# Altium PCB PCB.PcbDoc
Units mm, origin at the board's own origin, x right, y up, seen from the top; angles counter-clockwise.
Board outline 83.64 x 112.27 mm, 2 copper layers (Top Layer, Bottom Layer); 22 components, 29 nets, 121 pads, 18 vias.
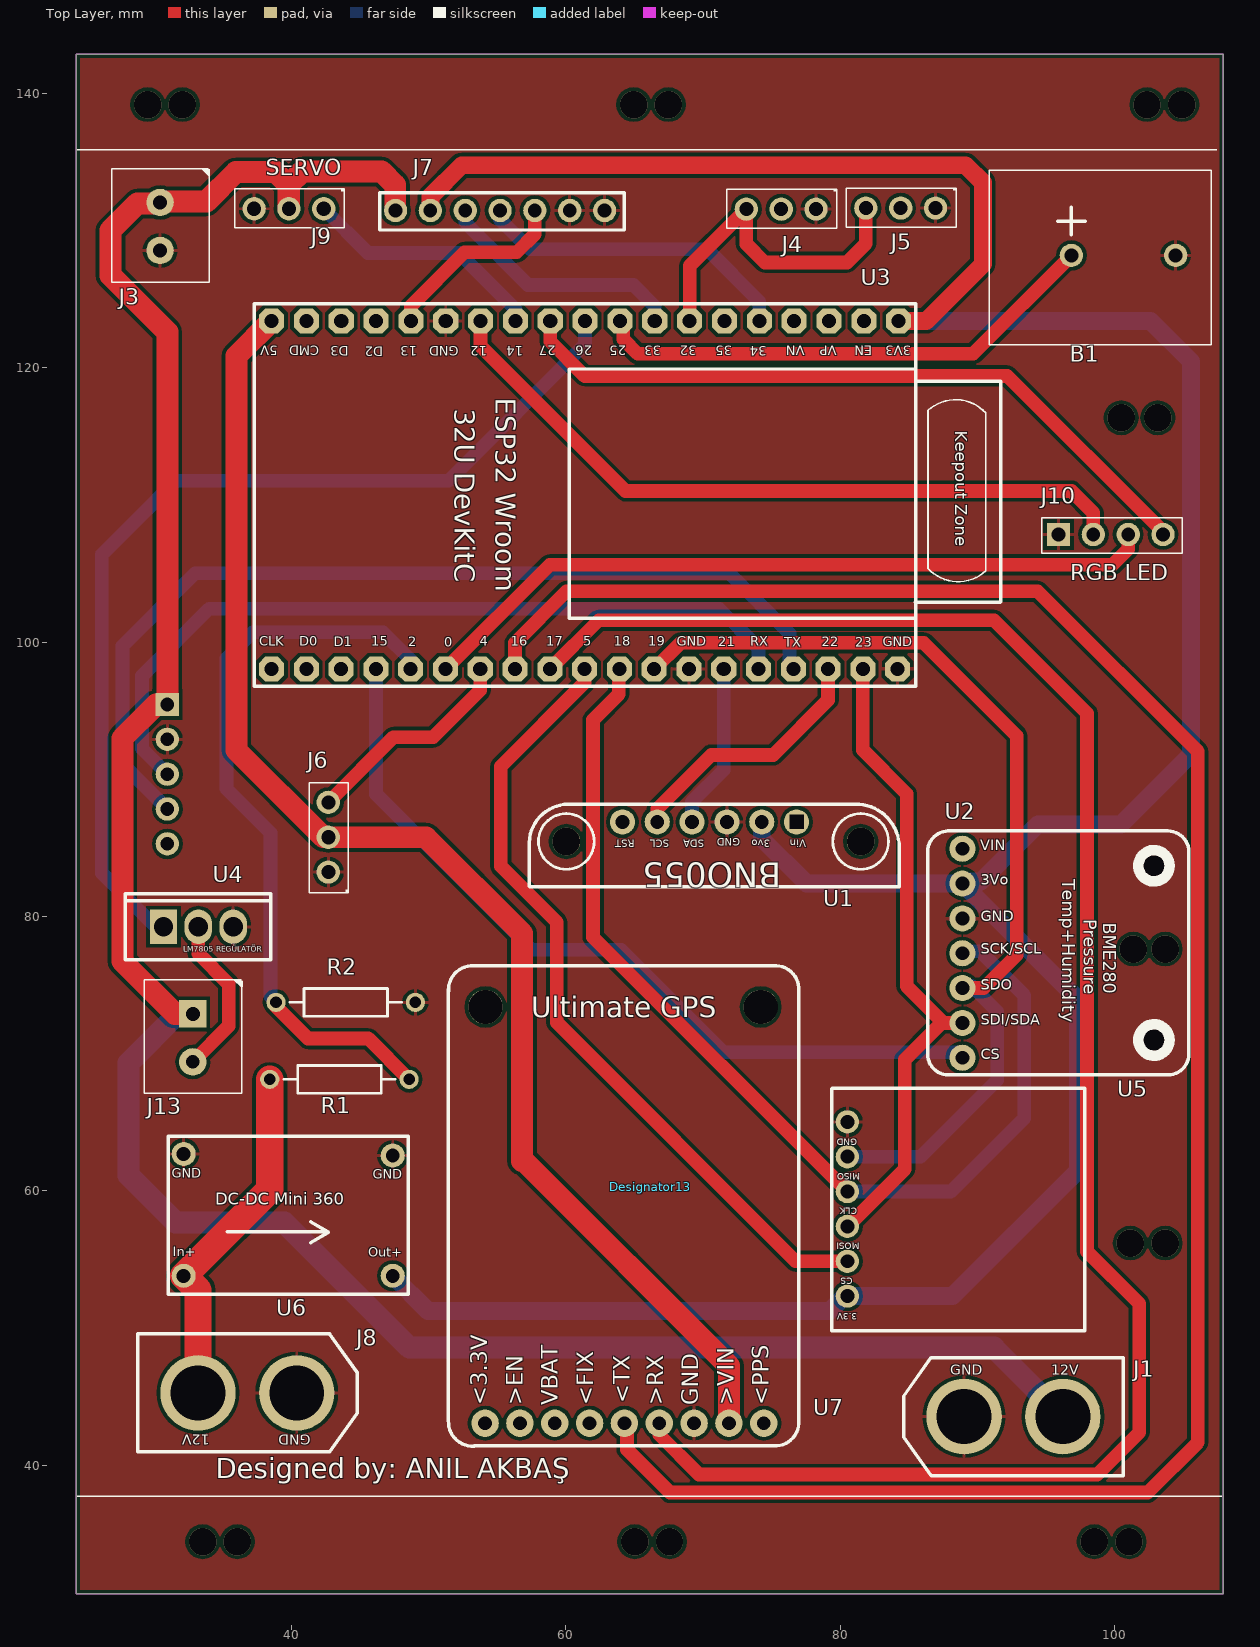
[diagram p0: Top Layer view]
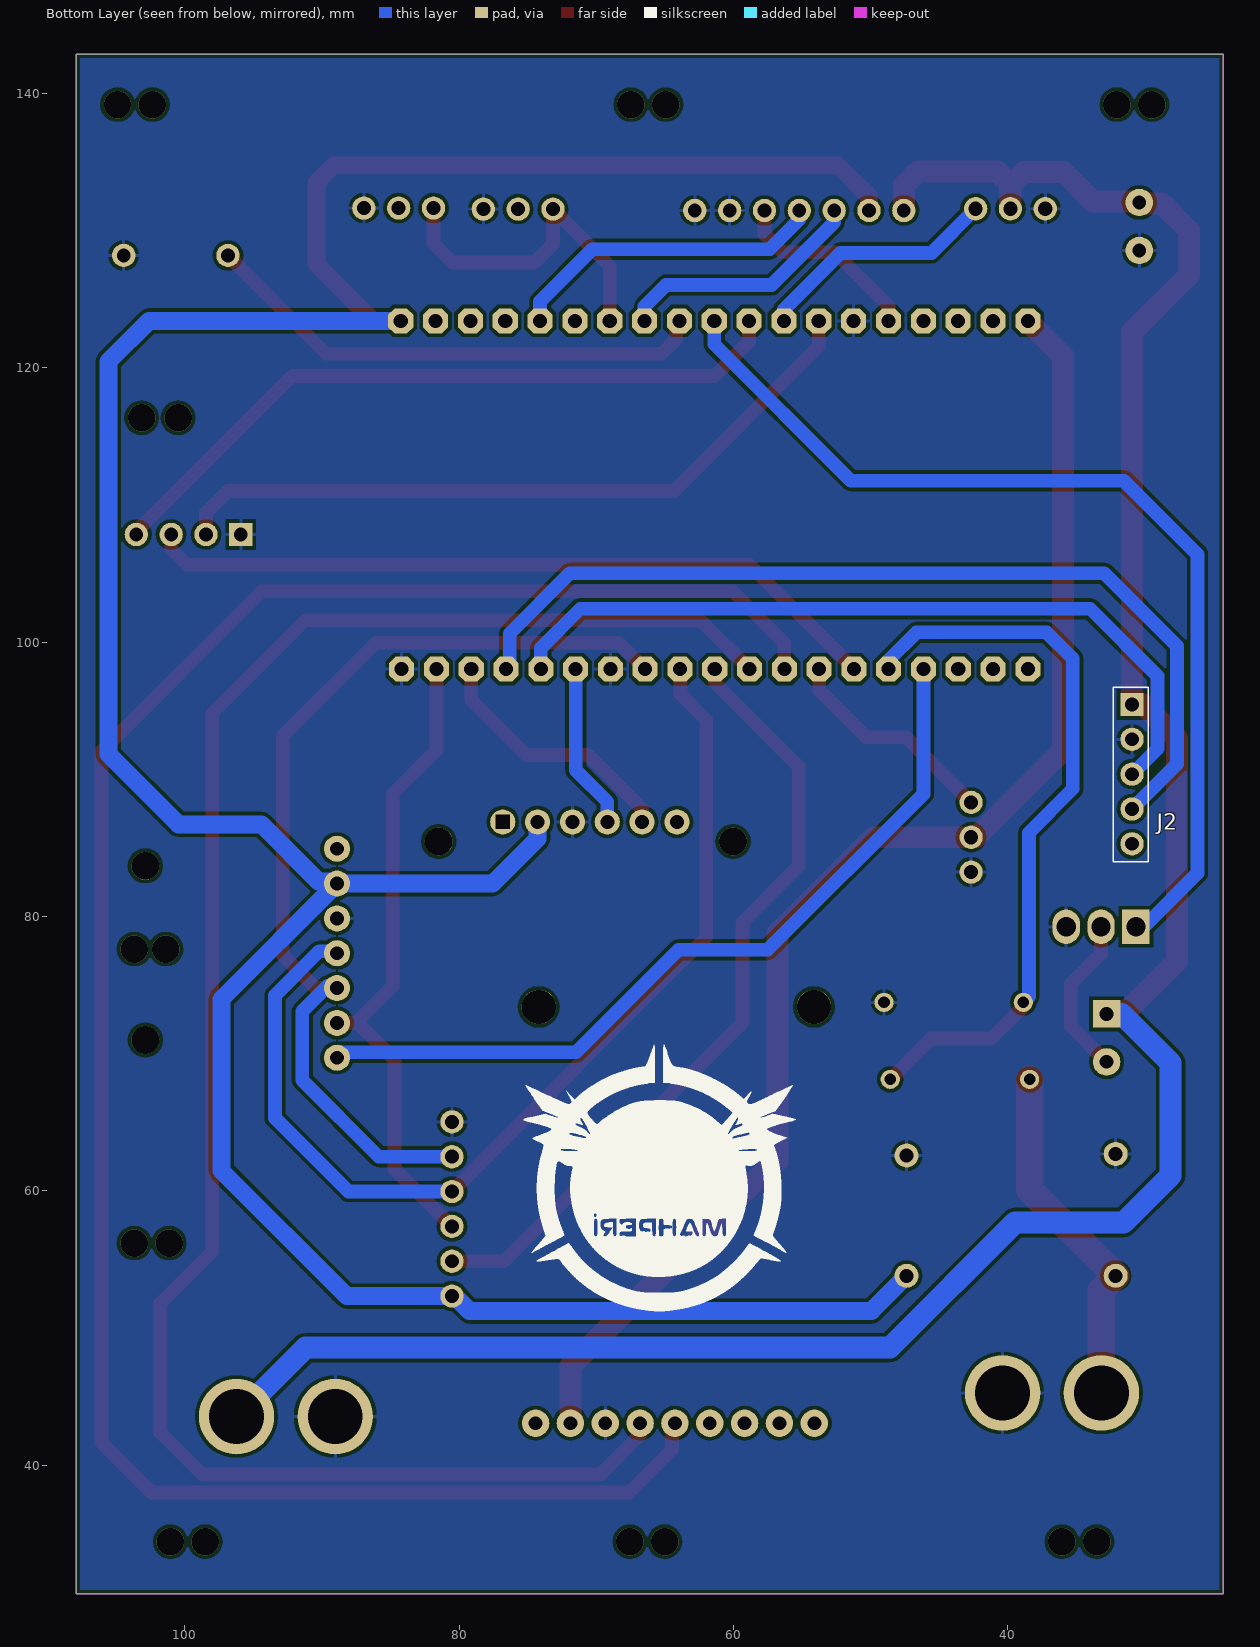
[diagram p1: Bottom Layer view, seen from below]

## Layer stack, top to bottom
Top Solder: solder mask 0.0102, Solder Resist, Dk 3.5
Top Layer: signal copper 0.0356
Dielectric 1: dielectric 0.32, FR-4, Dk 4.8
Bottom Layer: signal copper 0.0356
Bottom Solder: solder mask 0.0102, Solder Resist, Dk 3.5

## Board outline
24.282,30.607 107.925,30.607 107.925,142.875 24.282,142.875

## Design rules (kind name [scope] priority, off if disabled: settings)
Clearance [All] p1: gap=0.254 ignorepadtopadclearanceinfootprint=FALSE except(0: Arc-Hole Track-Hole SMDPad-Hole THPad-Hole Via-Hole Fill-Hole Poly-Hole Region-Hole Text-Hole; 0.1: Arc-Arc Arc-Track Arc-SMDPad Arc-THPad Arc-Via Track-Track Track-SMDPad Track-THPad Track-Via SMDPad-SMDPad SMDPad-THPad SMDPad-Via THPad-THPad THPad-Via Via-Via)
HoleSize [All] p1: absolutevalues=TRUE maxlimit=4.2 minlimit=0.025 maxpercent=80.000 minpercent=20.000
MinimumSolderMaskSliver [All] p1: minsoldermaskwidth=0.08
PolygonConnect [All] p1: connectstyle=Relief reliefconductorwidth=0.254 reliefentries=4 polygonreliefangle="90 Angle" airgapwidth=0.254
RoutingVias [All] p1: holewidth=0.711 width=1.27 viastyle="Through Hole" minholewidth=0.711 minwidth=1.27 maxholewidth=0.711 maxwidth=1.27
SilkToSilkClearance [All] p1: silktosilkclearance=0.1
SilkToSolderMaskClearance [IsPad] p1: minsilkscreentomaskgap=0.1 clearancetoexposedcopper=TRUE
SolderMaskExpansion [All] p1: expansion=0.102
Width [All] p1: maxlimit=2 minlimit=0.01 preferedwidth=1 minimp=50.000000 maximp=50.000000 favimp=50.000000
26 further rules are at their usual default settings.

## Components (designator, comment, footprint, x,y, rotation, side; value= is the part's Value field where it differs from the comment)
B1 "BUZZER" "BUZZER 4 TO 8 V" 96.85,128.194 r0 top
Designator13 "Comment" "logo 20x20" 66.142,60.3 r0 top
J1 "XT60" XT60#1 89.027,43.536 r0 top
J2 "Header 2.54 1x5" "Header 2.54 1x5" 30.937,95.453 r270 bottom
J3 "Klemens 1x2 3.5mm" "Klemens 1x2 - 3.5mm"#1 30.455,130.454 r270 top
J4 "HEADER1X3" HEADER1X3 75.844,131.648 r180 top
J5 "HEADER1X3" HEADER1X3 84.557,131.724 r180 top
J6 "HEADER 1X3" HEADER1X3 42.748,85.623 r90 top
J7 "MALE HEADER 1X7" "MALE HEADER  1X7" 47.574,131.47 r0 top
J8 "XT60" XT60#2 40.372,45.263 r180 top
J9 "HEADER1X3" HEADER1X3 39.954,131.674 r180 top
J10 "Header 2.54 1x4" "Header 2.54 1x4" 96.41,108.573 r0 top
J13 "KLEMENS" "Klemens 1x2 - 3.5mm"#2 32.842,71.298 r270 top
R1 "RESİSTOR" "RESİSTOR SMD" 43.688,68.174 r180 top
R2 "RESİSTOR" "RESİSTOR SMD" 44.145,73.787 r180 top
U1 "BNO" ? 70.485,84.949 r180 top
U2 "BME280 SENSÖR KARTI" "BME280 SENSÖR KARTI" 98.146,55.702 r270 top
U3 "ESP32 WROOM 32U DEVKITC" "ESP32 WROOM 32D" 78.286,102.845 r0 top
U4 "IRFZ44" IRFZ44 30.658,79.248 r0 top
U5 "SD KART MODÜLÜ" "SD CARD MODULE" 95.402,50.927 r180 top
U6 "DC-DC 360 Mini REGÜLATÖR" "DC-DC MINI 360 REGÜLATÖR KARTI" 40.843,59.487 r0 top
U7 "ADAFRUİT ULTİMATE GPS" "ADAFRUİT ULTİMATE GPS" 62.992,57.988 r90 top

## Footprints (in the part's own frame and the unit in brackets; to place one, negate y for a bottom-side part, rotate by r counter-clockwise, add the part's x,y. Pads: shape width x height; smd on the part's side, far side on the other; paste and mask are expansions set on the pad)
"ADAFRUİT ULTİMATE GPS" [mil]
  round 78.74 hole 40: 1(-588,350) 2(-588,250) 3(-588,150) 4(-588,50) 5(-588,-50) 6(-588,-150) 7(-588,-250) 8(-588,-350) 9(-588,-450)
  round 98.43 hole 98.43: ""(607,-441) ""(607,349)
  silkscreen extent -653,-551 726,455, body extent -671,-551 679,449, height 144
"BME280 SENSÖR KARTI" [mil]
  round 74.8 hole 40: 1(-1151,-364) 2(-1051,-364) 3(-951,-364) 4(-851,-364) 5(-751,-364) 6(-651,-364) 7(-551,-364)
  round 80 hole 80 unplated: ""(-1102,186) ""(-602,186)
  silkscreen extent -1202,-464 -502,286, body extent -1202,-465 -501,285, height 98
"BUZZER 4 TO 8 V" [mm]
  round 1.7 hole 1.016: 1(0,0) 2(7.6,0)
  silkscreen extent -6,-6.5 10.2,6.2, body extent -5.65,-6 9.8,6, height 9.65
"DC-DC MINI 360 REGÜLATÖR KARTI" [mm]
  round 1.75 hole 1.016: 1(-8.712,-5.685) 2(-8.712,3.205) 3(6.528,-5.685) 4(6.528,3.078)
  silkscreen extent -9.86,-7.03 7.64,4.48, body extent -10.34,-7.32 8.2,4.98, height 4.3
"ESP32 WROOM 32D" [mil]
  oct 72.01x72.01 hole 40.39: 1(-1565,-189.58) 2(-1465.16,-189.58) 3(-1365.31,-189.58) 4(-1265.47,-189.58) 5(-1165.63,-189.58) 6(-1065.79,-189.58) 7(-965.94,-189.58) 8(-866.1,-189.58) 9(-766.26,-189.58) 10(-666.42,-189.58) 11(-566.57,-189.58) 12(-466.73,-189.58) 13(-366.89,-189.58) 14(-267.05,-189.58) 15(-167.2,-189.58) 16(-67.36,-189.58) 17(32.48,-189.58) 18(132.32,-189.58) 19(232.17,-189.58) 20(235,810) 21(135,810) 22(35,810) 23(-65,810) 24(-165,810) 25(-265,810) 26(-365,810) 27(-465,810) 28(-565,810) 29(-665,810) 30(-765,810) 31(-865,810) 32(-965,810) 33(-1065,810) 34(-1165,810) 35(-1265,810) 36(-1365,810) 37(-1465,810) 38(-1565,810)
  silkscreen extent -1614,-239 528,860, body extent -1781,-226 403,876, height 182
HEADER1X3 [mm]
  round 1.7 hole 1.026: 1(-2.388,0.076) 2(0.152,0.076) 3(2.692,0.076)
  silkscreen extent -3.89,-1.37 4.11,1.48, body extent -3.66,-1.14 3.96,1.4, height 3.5
"Header 2.54 1x4" [mm]
  rect 1.7x1.7 hole 1 mask+0.05: 1(-0.5,-0.725)
  round 1.7 hole 1 mask+0.05: 2(2.04,-0.725) 3(4.58,-0.725) 4(7.12,-0.725)
  silkscreen extent -1.73,-2.1 8.52,0.5, body extent -1.68,-2.05 8.48,0.45, height 9.1
"Header 2.54 1x5" [mm]
  rect 1.7x1.7 hole 1 mask+0.05: 1(0,0)
  round 1.7 hole 1 mask+0.05: 2(2.54,0) 3(5.08,0) 4(7.62,0) 5(10.16,0)
  silkscreen extent -1.27,-1.38 11.48,1.2, body extent -1.25,-1.3 11.45,1.2, height 9.1
IRFZ44 [mm]
  rect 2x2.5 hole 1.4: 1(0,0)
  oval 2x2.5 hole 1.4: 2(2.54,0) 3(5.08,0)
  silkscreen extent -2.79,-2.39 7.81,2.41, body extent -2.84,-2.49 7.83,2.34, height 22.26
"Klemens 1x2 - 3.5mm"#1 [mm]
  round 2 hole 1: 1(-1.6,-0.05) 2(1.9,-0.05)
  silkscreen extent -4.11,-3.58 4.2,3.58, body extent -3.87,-3.63 4.12,3.37, height 8.9
"Klemens 1x2 - 3.5mm"#2 [mm]
  rect 2x2 hole 1.016: 1(-1.6,-0.05)
  round 2 hole 1: 2(1.9,-0.05)
  silkscreen extent -4.11,-3.57 4.2,3.58, body extent -3.87,-3.63 4.12,3.37, height 8.9
"logo 20x20" [mm]
"MALE HEADER  1X7" [mm]
  round 1.7 hole 1: 1(0,0) 2(2.54,0) 3(5.08,0) 4(7.62,0) 5(10.16,0) 6(12.7,0) 7(15.24,0)
  silkscreen extent -1.14,-1.42 16.69,1.3, body extent -1.6,-1.27 16.68,1.27, height 8.5
"RESİSTOR SMD" [mm]
  round 1.4 hole 0.85: 1(-4.877,0.051) 2(5.283,0.051)
  silkscreen extent -3.86,-0.97 4.27,1.07, body extent -5.2,-1.21 5.6,1.19, height 2.6
"SD CARD MODULE" [mil]
  round 66.93 hole 40: 1(586,-55) 2(586,-155) 3(586,-255) 4(586,-355) 5(586,-455) 6(586,-555)
  silkscreen extent -95,-651 631,45, body extent -175,-665 637,47, height 133
XT60#1 [mil]
  round 216.5 hole 157.48: 1(0,0) 2(283.46,0)
  silkscreen extent -173,-169 457,169, body extent -175,-153 453,167, height 664
XT60#2 [mil]
  round 216.5 hole 157.48: 1(283.46,0) 2(0,0)
  silkscreen extent -173,-169 457,169, body extent -175,-153 453,167, height 664
? [mil]
  round 72 hole 40 square: 1(-249.2,-76.5)
  round 72 hole 40: 2(-149.2,-76.5) 3(-49.2,-76.5) 4(50.8,-76.5) 5(150.8,-76.5) 6(250.8,-76.5)
  round 80 hole 80 unplated: ""(-433.15,-20.4) ""(411.83,-20.4)
  silkscreen extent -544,-128 518,109

## Part data
B1: library part "BUZZER 5V"
J13: library part "Klemens 1x2 3.5mm", "Klemens 1x2 3.5mm"
R1 R2: library part "RESİSTOR SMD"
U3: library part "ESP32 WROOM 32D DEVLITC"
U5: library part "SD CARD MODULE"
U6: library part "DC-DC 360 Mini REGÜLATÖR KARTI"
U7: "3.0-5.5 VDC  20mA current"

## Via types
v1: diameter 2, hole 2, Top Layer to Bottom Layer, 18 vias

## Nets (pads, with @x,y where several pads share a name; then routed paths per layer and width w, separated by ;. In a path a pad name is that pad's centre, name@x,y a point inside that pad or via, vN(x,y) a via of type N, cw(c..) or ccw(c..) an arc to the next point about the centre after c; other vN are vias at no path point)
3.3V: J7.2 U1.2 U2.2 U3.20 U5.1 U6.3 | length 225
  Top Layer w1.3: J7.2 50.114,132.486 52.4,134.772 89.129,134.772 90.399,133.502 90.399,127.559 86.258,123.419 U3.20
  Bottom Layer w1.3: U6.3 49.941,51.232 79.236,51.232 80.329,52.324 U5.1 88.189,52.324 97.333,61.468 97.333,73.965 U2.2 77.546,82.398 74.275,85.669 U1.2 ; U3.20 102.616,123.419 105.562,120.472 105.562,91.821 100.457,86.716 94.412,86.716 90.246,82.55 U2.2@89.052,82.55
5VP: J1.2 J2.1 J3.1 J7.1 J9.2 J13.1 | length 182.4
  Top Layer w1.6: J13.1 31.496,72.898 27.661,76.733 27.661,92.989 30.124,95.453 J2.1 30.937,122.606 26.797,126.746 26.797,130.023 28.752,131.978 30.328,131.978 J3.1 30.481,132.131 33.789,132.131 35.923,134.264 38.845,134.264 39.783,133.327 39.783,131.617 J9.2 39.821,131.617 39.821,133.378 40.758,134.315 46.558,134.315 47.555,133.318 47.555,131.49 J7.1
  Bottom Layer w1.6: J13.1 31.699,72.898 28.118,69.317 28.118,61.112 31.547,57.683 39.472,57.683 48.59,48.565 91.198,48.565 J1.2
11.1V: J8.1 R1.2 U6.1 | length 25.9
  Top Layer w2: J8.1 33.172,52.76 U6.1 38.405,60.076 R1.2
+5V: J6.2 U3.38 U7.8 | length 100.8
  Top Layer w1.6: U3.38 35.966,120.85 35.966,92.126 42.316,85.776 J6.2 49.784,85.776 56.794,78.765 56.794,62.179 56.932,62.179 71.882,47.229 U7.8
GND: B1.2 J1.1 J2.2 J3.2 J4.1 J5.1 J6.1 J7.6 J7.7 J8.2 J9.3 J10.1 R2.1 U1.3 U2.3 U3.13 U3.19 U3.33 U4.3 U5.6 U6.2 U6.4 U7.7
GND1: J13.2 U4.2 | length 11.8
  Top Layer w1: J13.2 35.408,72.013 35.408,75.082 33.198,77.292 U4.2
IO2: R1.1 R2.2 U3.5 | length 54.5
  Top Layer w1: R2.2 38.862,73.431 41.199,71.095 45.593,71.095 R1.1
  Bottom Layer w1: R2.2 38.456,74.143 38.456,86.106 35.255,89.306 35.255,98.806 37.16,100.711 46.66,100.711 48.679,98.692 U3.5
K-LED: J10.2 U3.32 | length 53.1
  Top Layer w1: U3.32 53.775,121.586 64.338,111.023 96.85,111.023 98.45,109.423 J10.2
M-LED: J10.4 U3.30 | length 52.2
  Top Layer w1: U3.30 58.855,121.917 61.362,119.41 92.172,119.41 103.632,107.95 J10.4
NetB1_1: B1.1 U3.28 | length 37.5
  Top Layer w1: U3.28 64.185,123.168 64.185,122.073 65.227,121.031 89.687,121.031 B1.1
NetJ2_3: J2.3 U3.15 | length 57.6
  Bottom Layer w1: J2.3 29.083,92.227 29.083,97.536 33.985,102.438 71.171,102.438 74.039,99.57 U3.15
NetJ2_4: J2.4 U3.16 | length 68.6
  Bottom Layer w1: J2.4 27.661,91.11 27.661,99.72 32.969,105.029 71.907,105.029 76.302,100.635 76.302,98.303 U3.16
NetJ4_3: J4.3 J5.3 U3.26 | length 24.8
  Top Layer w1: U3.26 69.015,127.435 J4.3 73.152,129.032 74.498,127.686 80.493,127.686 81.864,129.057 J5.3
NetJ6_3: J6.3 U3.7 | length 16
  Top Layer w1: J6.3 47.43,93.073 50.325,93.073 53.751,96.499 U3.7
NetJ7_3: J7.3 U3.27 | length 18.3
  Bottom Layer w1: J7.3 52.654,130.607 57.226,126.035 64.922,126.035 66.475,124.482 U3.27
NetJ7_4: J7.4 U3.24 | length 23.5
  Bottom Layer w1: J7.4 55.194,130.81 57.353,128.651 70.282,128.651 74.095,124.838 U3.24
NetJ7_5: J7.5 U3.34 | length 14
  Top Layer w1: U3.34 48.695,124.514 52.607,128.426 56.413,128.426 57.734,129.747 J7.5
NetJ9_1: J9.1 U3.31 | length 17.9
  Bottom Layer w1: J9.1 45.563,128.376 52.192,128.376 56.315,124.253 U3.31
NetU1_4: U1.4 U3.14 | length 12.5
  Top Layer w1: U3.14 U3.14@71.775,97.757
  Bottom Layer w1: U1.4 69.195,88.372 71.503,90.68 U3.14
NetU1_5: U1.5 U3.17 | length 19.3
  Top Layer w1: U1.5 66.655,87.838 70.587,91.77 75.108,91.77 79.111,95.774 U3.17 U3.17@79.361,97.779
NetU2_4: U2.4 U3.11 U5.4 | length 76.5
  Top Layer w1: U3.11@63.731,98.029 U3.11 63.856,97.99 63.856,96.215 61.976,94.336 61.976,78.486 U5.4
  Bottom Layer w1: U5.4 88.062,59.944 93.421,65.303 93.421,74.244 90.195,77.47 U2.4@89.052,77.47
NetU2_5: U2.5 U3.12 U5.5 | length 72.6
  Top Layer w1: U3.12 68.351,99.949 86.081,99.949 92.862,93.167 92.862,77.191 90.463,74.791 88.913,74.791 U2.5
  Bottom Layer w1: U5.5 85.852,62.484 91.44,68.072 91.44,73.076 89.586,74.93 U2.5@88.809,74.93
NetU2_6: U2.6 U3.18 U5.3 | length 47.4
  Top Layer w1: U5.3 84.709,61.595 84.709,69.571 87.376,72.238 87.528,72.238 ; U3.18 81.647,92.14 84.836,88.951 84.836,74.93 87.528,72.238 ; U2.6 87.528,72.238
NetU2_7: U2.7 U3.4 | length 59.8
  Bottom Layer w1: U3.4 46.143,88.934 57.506,77.572 64.008,77.572 71.476,70.104 88.494,70.104 U2.7
NetU3_8: U3.8 U7.5 | length 154.9
  Top Layer w1: U3.8 56.287,99.95 60.046,103.708 94.386,103.708 106.07,92.024 106.07,41.656 102.413,37.998 67.589,37.998 64.453,41.134 64.453,42.862 U7.5
NetU3_9: U3.9 U7.6 | length 135.8
  Top Layer w1: U3.9 62.394,101.6 91.211,101.6 97.993,94.818 97.993,55.575 101.803,51.765 101.803,42.393 98.73,39.319 69.698,39.319 66.802,42.215 U7.6
NetU3_10: U3.10 U5.2 | length 58.4
  Top Layer w1: U3.10 61.359,97.046 55.245,90.932 55.245,83.668 59.334,79.578 59.334,72.263 76.733,54.864 U5.2
NetU3_29: U3.29 U4.1 | length 72.6
  Bottom Layer w1: U4.1 30.075,79.248 26.162,83.161 26.162,106.401 31.521,111.76 51.435,111.76 61.395,121.72 U3.29
Y-LED: J10.3 U3.6 | length 54.5
  Top Layer w1: U3.6 58.825,105.639 99.847,105.639 100.99,106.782 J10.3
pads on no net: J2.5 J4.2 J5.2 U1. U1.1 U1.6 U2. U2.1 U3.1 U3.2 U3.3 U3.21 U3.22 U3.23 U3.25 U3.35 U3.36 U3.37 U7. U7.1 U7.2 U7.3 U7.4 U7.9
copper on no net:
  other v1: 33.509,34.414 36.049,34.414 65.009,34.414 67.549,34.414 98.509,34.414 101.049,34.414 101.143,56.185 103.683,56.185 101.371,77.622 103.683,77.622 100.482,116.357 103.149,116.357 29.496,139.192 32.036,139.192 64.929,139.192 67.469,139.192 102.362,139.192 104.902,139.192

## Polygon pours and split planes (outlines as drawn)
GND on Top Layer (solid, pour order 56): 24.282,142.875 107.925,142.875 107.925,30.607 24.282,30.607
GND on Top Layer (solid, pour order 52): 38.125,147.472
no net on Top Layer "Top Layer-No Net 7" (solid, pour order 36): 24.587,142.9
no net on Top Layer "Top Layer-No Net 4" (solid, pour order 34): 27.381,55.651
no net on Top Layer "Top Layer-No Net 5" (solid, pour order 32): 29.464,55.804
no net on Top Layer "Top Layer-No Net 6" (solid, pour order 28): 35.027,55.575
no net on Top Layer "Top Layer-No Net 2" (solid, pour order 22): 24.587,142.9
no net on Top Layer "Top Layer-No Net 3" (solid, pour order 10): 24.282,142.875
no net on Top Layer "Top Layer-No Net" (solid, pour order 2): 24.282,142.875
no net on Top Layer "Top Layer-No Net 1" (solid, pour order 0): 24.587,142.9
GND on Bottom Layer (solid, pour order 58): 24.282,142.875 107.925,142.875 107.925,30.607 24.282,30.607
GND on Bottom Layer "Bottom Layer-GND 2" (hatched Horizontal grid 0.508 track 2, pour order 48): 24.282,142.875
GND on Bottom Layer "Bottom Layer-GND" (solid, pour order 26): 24.282,142.875
GND on Bottom Layer "Bottom Layer-GND 1" (solid, pour order 6): 24.587,142.9
no net on Mechanical 3 (none): 24.587,142.9
no net on Mechanical 3 (none): 24.282,142.875
no net on Mechanical 3 (none): 24.282,142.875
no net on Mechanical 3 (hatched Horizontal grid 0.508 track 2): 24.282,142.875

## Keep-outs
Keep-Out Layer:
  the board outline again, w0.1

## Other copper
Top Layer:
  pour cut-out: 26.695,106.045

## Silkscreen, mask and mechanical layers (free items; w line width, h text height)
Top Overlay:
  lines w0.1: 24.384,37.719 25.4,37.719 107.823,37.719 ; 24.384,135.89 107.442,135.89
  text "SERVO" at 38.1,133.655 h2
  text "RGB LED" at 96.749,104.115 h2
  text "Designed by: ANIL AKBAŞ" at 34.468,38.532 h2.5
Mechanical 3:
  lines w0.1: 35.842,130.197 35.864,130.175 ; 35.842,133.045 35.969,133.172 44.069,133.172 44.069,130.175 35.864,130.175 ; 35.864,133.068 35.864,130.175 ; 46.228,133.096 64.643,133.096 64.643,129.819 46.253,129.819 46.253,133.071 ; 56.921,81.839 84.785,81.839 84.785,88.494 57.023,88.494 57.023,83.82 57.023,81.89 ; 71.58,130.121 71.602,130.099 ; 71.58,132.969 71.707,133.096 79.807,133.096 79.807,130.099 71.602,130.099 ; 71.602,132.991 71.602,130.099 ; 80.292,130.223 80.314,130.2 ; 80.292,133.071 80.419,133.198 88.519,133.198 88.519,130.2 80.314,130.2 ; 80.314,133.093 80.314,130.2 ; 27.457,76.556 27.457,81.991 27.508,82.042 38.76,82.042 38.76,76.556 27.457,76.556 ; 28.194,40.64 28.194,45.085 28.194,49.911 45.212,49.911 45.212,40.64 28.194,40.64 ; 30.582,52.248 30.582,64.317 30.679,64.414 48.997,64.414 48.997,52.248 30.582,52.248 ; 34.214,96.19 34.214,125.12 36.855,125.12 88.189,125.12 88.189,96.19 34.214,96.19 ; 39.319,72.39 48.387,72.39 48.387,75.032 39.395,75.032 39.319,74.955 39.319,72.39 ; 39.497,66.929 39.497,69.494 39.573,69.571 48.565,69.571 48.565,66.929 39.497,66.929 ; 41.072,81.432 41.072,89.865 41.123,89.916 44.374,89.916 44.374,81.432 41.072,81.432 ; 50.749,40.945 50.749,76.708 51.181,76.708 77.724,76.708 77.724,40.945 50.749,40.945 ; 78.791,49.276 78.791,67.691 78.994,67.691 98.908,67.691 98.908,49.276 78.791,49.276 ; 84.201,38.887 84.201,43.053 84.201,48.184 101.219,48.184 101.219,38.887 84.201,38.887 ; 86.131,68.224 86.131,86.436 86.182,86.487 105.969,86.487 105.969,68.224 86.131,68.224

## Text inside footprints (layer, text, board x,y; h text height)
J1: Top Overlay "12V" at 95.377,46.584 h0.75; Top Overlay "GND" at 88.011,46.584 h0.75
J8: Top Overlay "GND" at 41.388,42.215 h0.75 r180; Top Overlay "12V" at 34.022,42.215 h0.75 r180
U1: Top Overlay "BNO055" at 75.692,84.492 h3.05 r180; Top Overlay "Vin" at 77.525,85.777 h0.89 r180; Top Overlay "3vo" at 74.905,85.787 h0.89 r180; Top Overlay "GND" at 72.725,85.867 h0.89 r180; Top Overlay "SDA" at 70.079,85.787 h0.89 r180; Top Overlay "SCL" at 67.539,85.787 h0.89 r180; Top Overlay "RST" at 64.999,85.787 h0.89 r180
U2: Top Overlay "BME280" at 98.831,79.553 h1.6 r270; Top Overlay "Pressure" at 97.409,79.781 h1.6 r270; Top Overlay "Temp+Humidity" at 95.86,82.702 h1.6 r270; Top Overlay "VIN" at 90.221,84.557 h1.3; Top Overlay "GND" at 90.246,79.4 h1.3; Top Overlay "SCK/SCL" at 90.246,77.013 h1.3; Top Overlay "SDO" at 90.246,74.397 h1.3; Top Overlay "SDI/SDA" at 90.246,71.857 h1.3; Top Overlay "CS" at 90.246,69.342 h1.3; Top Overlay "3Vo" at 90.246,82.067 h1.3
U3: Top Overlay "Keepout Zone" at 88.091,115.418 h1.52 r270; Top Overlay "CLK" at 37.646,99.466 h1.2; Top Overlay "D0" at 40.542,99.466 h1.2; Top Overlay "D1" at 43.056,99.441 h1.2; Top Overlay "15" at 45.8,99.466 h1.2; Top Overlay "2" at 48.517,99.441 h1.2; Top Overlay "0" at 51.108,99.416 h1.2; Top Overlay "4" at 53.699,99.466 h1.2; Top Overlay "16" at 55.96,99.466 h1.2; Top Overlay "17" at 58.55,99.466 h1.2; Top Overlay "5" at 61.268,99.466 h1.2; Top Overlay "18" at 63.478,99.466 h1.2; Top Overlay "19" at 65.993,99.466 h1.2; Top Overlay "GND" at 68.075,99.466 h1.2; Top Overlay "21" at 71.098,99.441 h1.2; Top Overlay "RX" at 73.435,99.466 h1.2; Top Overlay "TX" at 75.899,99.416 h1.2; Top Overlay "22" at 78.642,99.441 h1.2; Top Overlay "23" at 81.106,99.416 h1.2; Top Overlay "GND" at 83.112,99.441 h1.2; Top Overlay "CMD" at 42.015,121.869 h1.2 r180; Top Overlay "D3" at 44.174,121.844 h1.2 r180; Top Overlay "D2" at 46.663,121.793 h1.2 r180; Top Overlay "13" at 49.152,121.844 h1.2 r180; Top Overlay "GND" at 52.175,121.844 h1.2 r180; Top Overlay "27" at 59.262,121.869 h1.2 r180; Top Overlay "26" at 61.903,121.869 h1.2 r180; Top Overlay "25" at 64.392,121.869 h1.2 r180; Top Overlay "33" at 66.958,121.869 h1.2 r180; Top Overlay "32" at 69.523,121.869 h1.2 r180; Top Overlay "35" at 72.114,121.869 h1.2 r180; Top Overlay "34" at 74.654,121.818 h1.2 r180; Top Overlay "VN" at 77.397,121.869 h1.2 r180; Top Overlay "VP" at 79.759,121.869 h1.2 r180; Top Overlay "EN" at 82.325,121.869 h1.2 r180; Top Overlay "3V3" at 85.17,121.869 h1.2 r180; Top Overlay "ESP32 Wroom" at 54.359,117.805 h2.5 r270; Top Overlay "5V" at 38.992,121.869 h1.2 r180; Top Overlay "32U DevKitC" at 51.388,117.018 h2.5 r270; Top Overlay "12" at 54.258,121.844 h1.2 r180; Top Overlay "14" at 56.874,121.844 h1.2 r180
U4: Top Overlay "LM7805 REGÜLATÖR" at 32.106,77.267 h0.7
U5: Top Overlay "GND" at 81.229,63.983 h0.8 r180; Top Overlay "MISO" at 81.458,61.468 h0.8 r180; Top Overlay "CLK" at 81.229,58.928 h0.8 r180; Top Overlay "MOSI" at 81.432,56.388 h0.8 r180; Top Overlay "CS" at 80.924,53.848 h0.8 r180; Top Overlay "3.3V" at 81.229,51.257 h0.8 r180
U6: Top Overlay "In+" at 31.318,54.966 h1.2; Top Overlay "GND" at 31.267,60.706 h1.2; Top Overlay "Out+" at 45.593,54.919 h1.2; Top Overlay "GND" at 45.923,60.634 h1.2; Top Overlay "DC-DC Mini 360" at 34.442,58.674 h1.5
U7: Top Overlay "VBAT" at 59.816,44.374 h2.03 r90; Top Overlay ">EN" at 57.25,44.374 h2.03 r90; Top Overlay "<3.3V" at 54.661,44.374 h2.03 r90; Top Overlay ">RX" at 67.511,44.374 h2.03 r90; Top Overlay "<TX" at 65.049,44.501 h2.03 r90; Top Overlay "<FIX" at 62.381,44.374 h2.03 r90; Top Overlay ">VIN" at 72.641,44.374 h2.03 r90; Top Overlay "GND" at 70.052,44.374 h2.03 r90; Top Overlay "<PPS" at 75.184,44.374 h2.03 r90; Top Overlay "Ultimate GPS" at 57.455,72.136 h2.54